# Altium PCB PCB4191.PcbDoc (part 3 of 4)
Units mm, origin at the board's own origin, x right, y up, seen from the top; angles counter-clockwise.
Board outline 160 x 160 mm, 6 copper layers (Top Layer, IM1 RIS, IM2 Signal, IM3 Signal, IM4 GND, Bottom Layer), stack 1.582 mm thick; 143 components, 121 nets, 430 pads, 4983 vias.
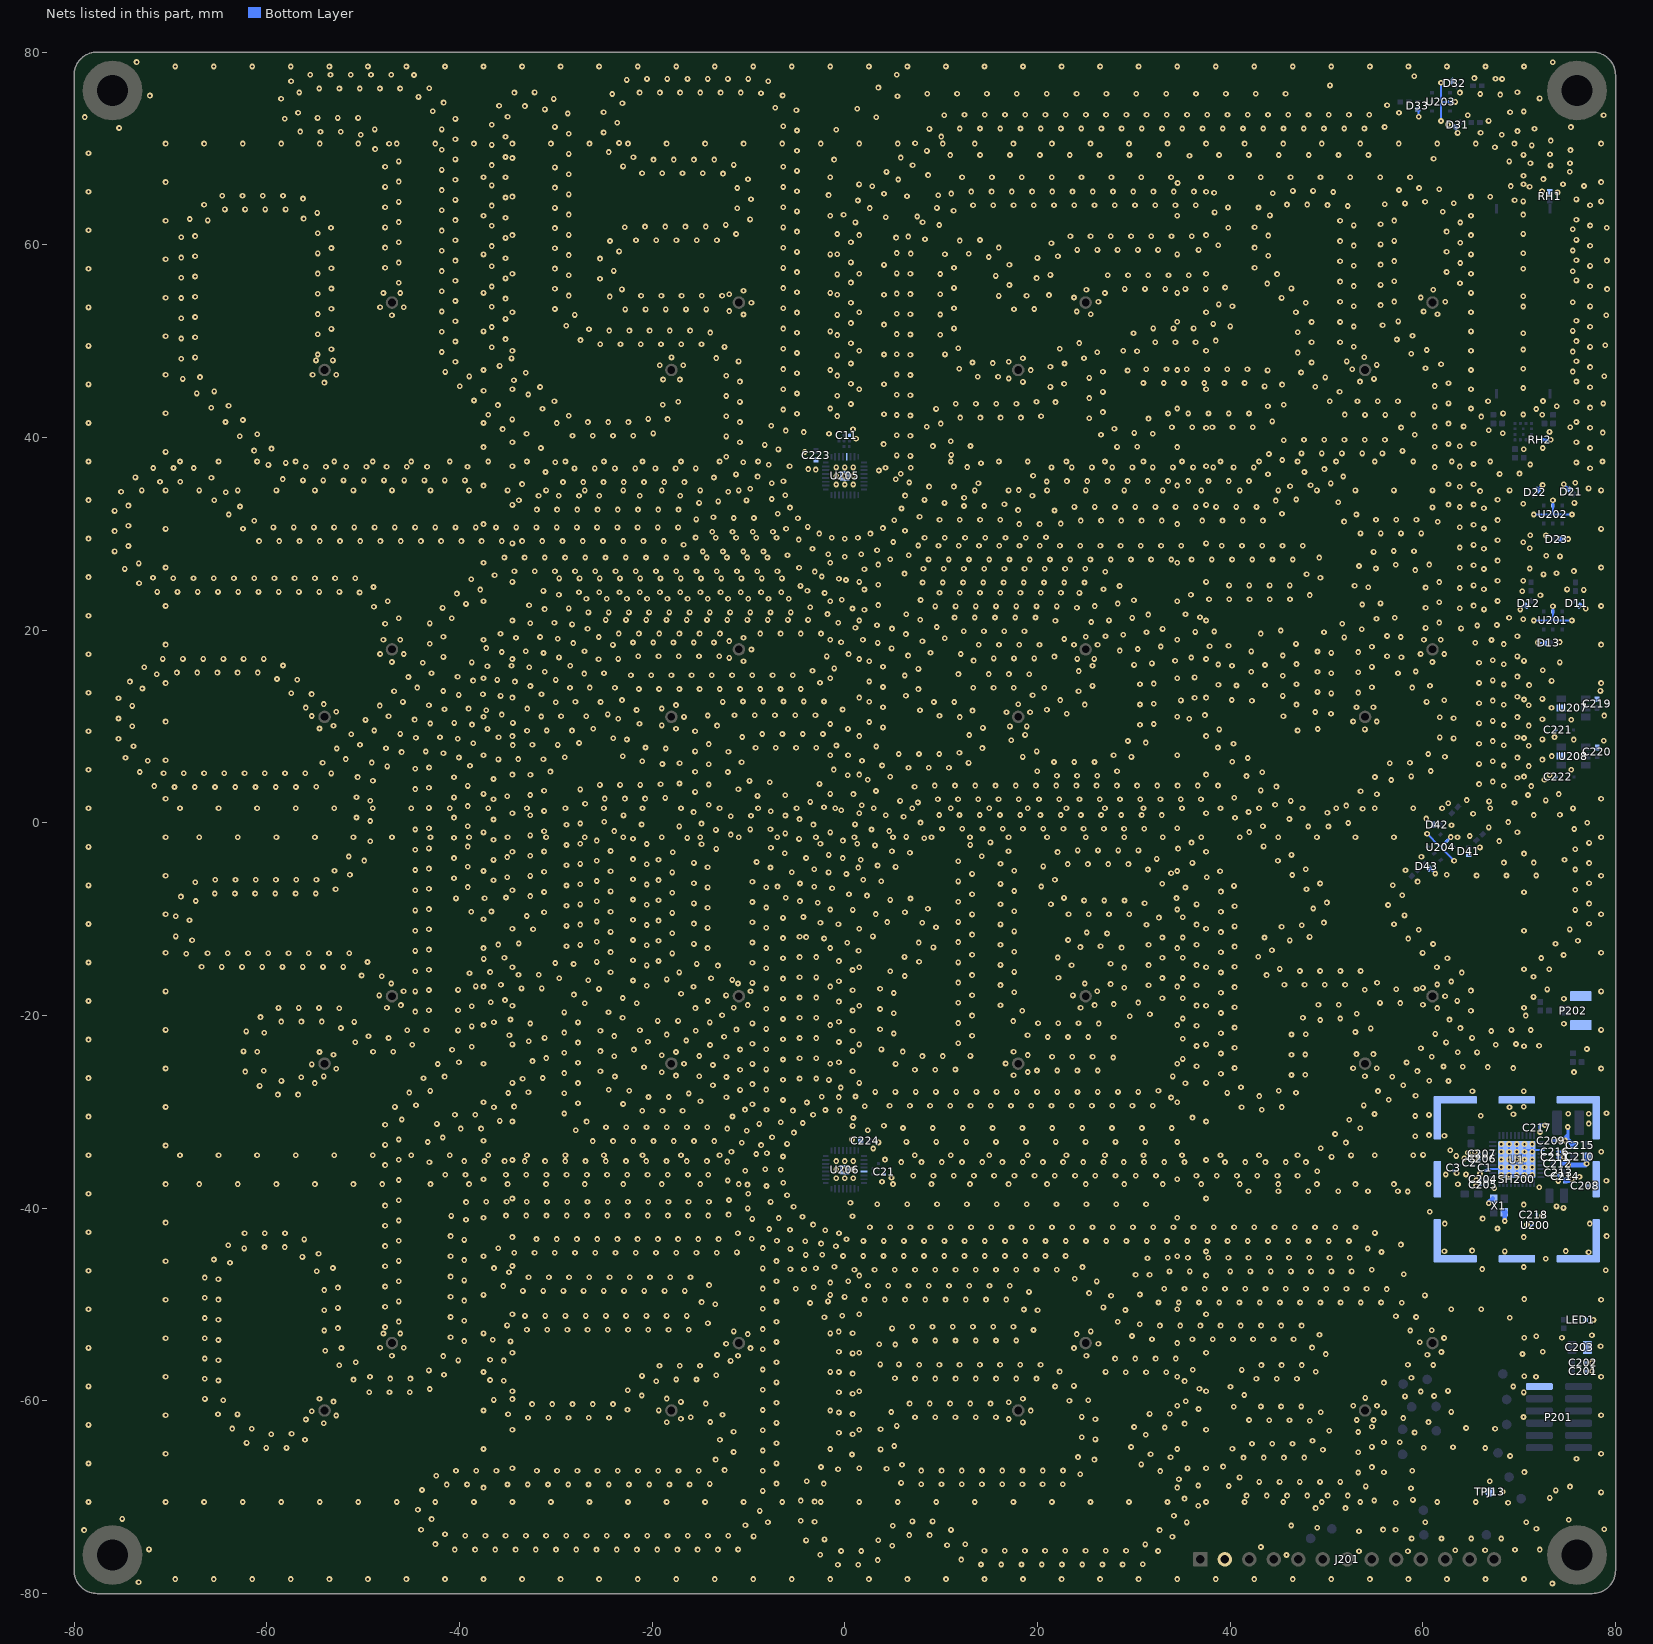
[diagram p7: the nets of this part, all layers, seen from the top]

## Via types
v1: diameter 0.6, hole 0.25, IM4 GND to Bottom Layer, tented bottom, 3953 vias
v2: diameter 0.6, hole 0.25, Top Layer to Bottom Layer, tented both sides, 851 vias
v3: diameter 0.6, hole 0.25, IM4 GND to Bottom Layer, tented both sides, 179 vias

## Nets (pads, with @x,y where several pads share a name; then routed paths per layer and width w, separated by ;. In a path a pad name is that pad's centre, name@x,y a point inside that pad or via, vN(x,y) a via of type N, cw(c..) or ccw(c..) an arc to the next point about the centre after c; other vN are vias at no path point) (continued)
GND: (continued)
  other v1: -0.714,-77.012 1.386,-77.012 14.137,-76.987 16.237,-76.987 18.337,-76.987 20.437,-76.987 22.537,-76.987 24.637,-76.987 26.737,-76.987 28.837,-76.987 30.937,-76.965 3.43,-76.528 12.099,-76.481 45.849,-76 -2.537,-75.97 58.449,-75.616 -0.388,-75.588 1.712,-75.588 32.521,-75.587 53.368,-75.606 14.494,-75.563 16.594,-75.563 18.694,-75.563 20.794,-75.563 22.894,-75.563 24.994,-75.563 27.094,-75.563 29.194,-75.563 63.363,-75.515 66.463,-75.515 -40.474,-75.437 -38.374,-75.437 -36.274,-75.437 -34.174,-75.437 -32.074,-75.437 -29.974,-75.437 -27.874,-75.437 -25.774,-75.437 -23.674,-75.437 -21.574,-75.437 -19.474,-75.437 -17.374,-75.437 -15.274,-75.437 -13.174,-75.437 69.562,-75.45 -11.074,-75.427 43.186,-75.174 4.915,-75.043 10.614,-74.996 31.188,-74.905 12.509,-74.877 -42.494,-74.863 -4.022,-74.486 3.483,-74.459 -2.109,-74.384 58.833,-74.286 61.933,-74.286 65.033,-74.286 68.133,-74.286 34.006,-74.102 -9.468,-74.075 -39.404,-74.013 -37.304,-74.013 -35.204,-74.013 -33.104,-74.013 -31.004,-74.013 -28.904,-74.013 -26.804,-74.013 -24.704,-74.013 -22.604,-74.013 -20.504,-74.013 -18.404,-74.013 -16.304,-74.013 -14.204,-74.013 -12.104,-74.013 6.7,-73.937 8.8,-73.937 -41.497,-73.845 53.375,-73.529 32.673,-73.42 -43.979,-73.378 11.024,-73.392 55.873,-73.366 71.783,-73.287 49.049,-73.166 4.968,-72.974 46.351,-72.941 -10.317,-72.91 35.491,-72.617 -7.983,-72.59 70.733,-72.597 -3.138,-72.553 7.017,-72.513 9.117,-72.513 -4.562,-72.456 -42.888,-72.272 34.158,-71.935 -8.832,-71.425 -44.312,-71.305 48.87,-71.135 51.97,-71.135 36.687,-70.891 -3.138,-70.453 -4.562,-70.356 54.966,-70.339 35.263,-70.149 41.709,-69.837 43.809,-69.837 45.909,-69.837 48.009,-69.837 50.109,-69.837 52.209,-69.837 -8.512,-69.349 -43.882,-69.249 58.768,-69.061 54.078,-68.88 39.86,-68.842 36.687,-68.791 -41.306,-68.689 -39.206,-68.687 -35.006,-68.687 -32.906,-68.687 -30.806,-68.687 -28.706,-68.687 -26.606,-68.687 -24.506,-68.687 -22.406,-68.687 -20.306,-68.687 -18.206,-68.687 -16.106,-68.687 7.934,-68.662 10.034,-68.662 12.134,-68.662 14.234,-68.662 16.334,-68.662 18.434,-68.662 20.534,-68.662 22.634,-68.662 -14.007,-68.623 -7.088,-68.59 -2.178,-68.585 5.839,-68.516 43.029,-68.413 45.129,-68.413 47.229,-68.413 49.329,-68.413 51.429,-68.413 -3.954,-68.346 34.675,-68.133 40.981,-67.949 -42.397,-67.765 24.45,-67.608 53.288,-67.435 55.96,-67.403 32.753,-67.287 -40.358,-67.263 -38.258,-67.263 -36.158,-67.263 -31.958,-67.263 -29.858,-67.263 -27.758,-67.263 -25.658,-67.263 -23.558,-67.263 -21.458,-67.263 -19.358,-67.263 -17.258,-67.263 -15.158,-67.263 -8.512,-67.249 7.946,-67.238 10.046,-67.238 12.146,-67.238 14.246,-67.238 16.346,-67.238 18.446,-67.238 20.546,-67.238 22.646,-67.238 -12.477,-67.185 -0.693,-67.101 4.339,-67.046 35.57,-67.013 54.712,-66.878 -2.469,-66.862 39.263,-66.829 5.936,-66.629 30.769,-66.601 -7.088,-66.49 -13.408,-66.101 25.908,-66.097 41.382,-65.887 43.482,-65.887 45.582,-65.887 47.682,-65.887 33.813,-65.863 24.208,-65.834 0.746,-65.571 31.736,-65.554 53.288,-65.335 -11.538,-65.306 -8.512,-65.149 49.622,-65.085 3.713,-65.042 40.229,-64.964 -60.053,-64.887 -57.953,-64.887 29.713,-64.786 54.712,-64.778 5.137,-64.687 42.268,-64.463 44.368,-64.463 46.468,-64.463 -7.088,-64.39 -62.088,-64.369 55.96,-64.303 48.544,-64.148 -56.032,-64.039 -12.962,-64.049 26.012,-63.999 24.588,-63.769 31.246,-63.512 0.812,-63.472 -59.524,-63.463 -57.424,-63.417 -0.612,-63.31 53.288,-63.235 -11.538,-63.206 50.287,-63.093 -8.512,-63.049 3.713,-62.942 -61.546,-62.897 -63.573,-62.884 33.207,-62.762 30.033,-62.71 54.712,-62.678 5.382,-62.601 35.269,-62.363 -54.082,-62.32 -7.088,-62.29 18.484,-62.237 -18.484,-62.213 -13.958,-62.2 48.26,-62.068 44.061,-62.012 46.161,-62.012 41.961,-61.99 53.137,-61.991 54.887,-61.991 -55.939,-61.932 26.012,-61.899 17.009,-61.887 -17.009,-61.863 -32.879,-61.762 -30.779,-61.762 -28.679,-61.762 -26.579,-61.762 -24.479,-61.762 -16,-61.712 7.284,-61.712 9.384,-61.712 11.484,-61.712 13.584,-61.712 15.684,-61.712 24.588,-61.669 -52.792,-61.524 -12.691,-61.452 -65.058,-61.399 -63.031,-61.412 -34.945,-61.387 0.812,-61.372 31.633,-61.351 33.733,-61.338 -0.612,-61.21 49.398,-61.191 55.96,-61.203 4.814,-61.154 -55.32,-61.082 19.309,-61.012 -19.309,-60.988 -22.55,-60.932 -8.512,-60.949 36.724,-60.849 40.378,-60.61 43.186,-60.588 45.286,-60.588 47.386,-60.588 52.787,-60.516 55.237,-60.516 -32.462,-60.338 -30.362,-60.338 -28.262,-60.338 -26.162,-60.338 -24.062,-60.338 -14.439,-60.288 6.727,-60.288 8.827,-60.288 10.927,-60.288 13.027,-60.288 15.127,-60.288 -7.088,-60.19 17.009,-60.137 -17.009,-60.113 -53.075,-60.075 35.388,-60.044 23.316,-59.998 -64.516,-59.927 25.268,-59.936 -36.43,-59.902 -34.497,-59.821 -66.422,-59.803 -54.524,-59.792 -18.484,-59.763 18.484,-59.787 54.012,-59.691 -21.065,-59.448 41.462,-59.389 0.812,-59.272 -49.357,-59.112 -47.257,-59.112 -45.157,-59.112 -0.612,-59.11 62.615,-58.966 -22.532,-58.899 -8.512,-58.849 -43.085,-58.768 36.812,-58.751 40.038,-58.538 21.831,-58.513 23.783,-58.451 -7.088,-58.09 55.96,-58.103 -19.58,-57.963 35.265,-57.948 -35.388,-57.919 -65.013,-57.886 -36.812,-57.837 -50.99,-57.792 -17.488,-57.787 -15.388,-57.787 42.727,-57.712 44.827,-57.712 46.927,-57.712 -66.437,-57.703 -47.19,-57.688 -45.09,-57.688 7.3,-57.687 9.4,-57.687 11.5,-57.687 13.6,-57.687 15.7,-57.687 17.8,-57.687 19.9,-57.687 5.2,-57.653 58.809,-57.613 -49.28,-57.487 -21.047,-57.414 -13.335,-57.343 -41.6,-57.283 0.812,-57.172 29.173,-57.037 31.273,-57.037 33.373,-57.037 -0.612,-57.01 27.074,-56.997 48.895,-56.978 22.298,-56.966 -43.17,-56.837 41.202,-56.79 36.105,-56.773 -8.512,-56.749 -19.229,-56.363 -17.129,-56.363 -15.029,-56.363 -52.475,-56.307 43.241,-56.288 45.341,-56.288 47.441,-56.288 7.719,-56.263 9.819,-56.263 11.919,-56.263 14.019,-56.263 16.119,-56.263 18.219,-56.263 20.319,-56.263 58.453,-56.26 61.069,-56.279 3.671,-56.213 5.62,-56.213 -50.765,-56.003 -7.088,-55.99 -11.85,-55.858 -35.388,-55.819 -65.013,-55.786 -40.115,-55.798 -36.812,-55.737 -66.437,-55.603 28.055,-55.613 30.155,-55.613 32.255,-55.613 34.355,-55.613 -41.685,-55.352 -11.082,-55.32 25.082,-55.32 -47.012,-55.309 -13.252,-55.244 60.476,-55.208 49.924,-55.147 0.812,-55.072 61.925,-54.925 -0.612,-54.91 -53.934,-54.797 -8.512,-54.649 -52.25,-54.518 -9.792,-54.524 23.792,-54.524 -48.237,-54.484 -45.787,-54.484 48.499,-54.474 5.234,-54.149 3.588,-54.115 -12.32,-54.082 26.32,-54.082 59.68,-53.918 -7.088,-53.89 -34.702,-53.834 -39.488,-53.794 7.293,-53.737 9.393,-53.737 11.493,-53.737 13.593,-53.737 15.693,-53.737 17.793,-53.737 -65.013,-53.686 -36.538,-53.655 31.884,-53.612 36.084,-53.612 38.184,-53.612 40.284,-53.612 42.384,-53.612 44.484,-53.612 46.584,-53.612 -66.437,-53.503 62.208,-53.476 74.438,-53.46 -40.912,-53.4 71.78,-53.303 29.812,-53.27 49.277,-53.149 -10.075,-53.075 24.075,-53.075 -47.887,-53.009 -46.137,-53.009 0.812,-52.972 -0.634,-52.81 -11.524,-52.792 25.524,-52.792 -54.037,-52.699 58.69,-52.697 60.918,-52.68 19.587,-52.645 -32.994,-52.612 -30.894,-52.612 -28.794,-52.612 -26.694,-52.612 -24.594,-52.612 -22.494,-52.612 -20.394,-52.612 -18.294,-52.612 -16.194,-52.612 -8.512,-52.549 4.907,-52.481 -52.613,-52.449 -47.712,-52.334 7,-52.313 9.1,-52.313 11.2,-52.313 13.3,-52.313 15.4,-52.313 17.5,-52.313 -35.053,-52.17 32.71,-52.188 34.81,-52.188 36.91,-52.188 39.01,-52.188 41.11,-52.188 43.21,-52.188 45.31,-52.188 47.41,-52.188 30.614,-52.057 -14.205,-51.938 -7.088,-51.79 -46.288,-51.777 28.327,-51.785 -39.488,-51.694 -65.013,-51.586 -66.437,-51.403 69.031,-51.378 -2.119,-51.325 -40.912,-51.3 59.303,-51.296 57.205,-51.212 -33.197,-51.188 -31.097,-51.188 -28.997,-51.188 -26.897,-51.188 -24.797,-51.188 -22.697,-51.188 -20.597,-51.188 -18.497,-51.188 -16.397,-51.188 -0.261,-51.168 -54.037,-50.599 20.012,-50.589 29.129,-50.572 18.588,-50.516 62.958,-50.498 66.058,-50.498 -8.512,-50.449 -52.613,-50.349 26.842,-50.3 -47.712,-50.234 -13.438,-49.983 -3.604,-49.84 57.818,-49.811 32.562,-49.787 34.662,-49.787 36.762,-49.787 38.862,-49.787 40.962,-49.787 43.062,-49.787 45.162,-49.787 47.262,-49.787 49.362,-49.787 51.462,-49.787 53.562,-49.787 55.662,-49.787 -14.862,-49.754 -7.088,-49.69 -1.746,-49.683 -46.288,-49.677 -39.488,-49.594 -65.013,-49.486 2.057,-49.487 4.157,-49.487 6.257,-49.487 8.357,-49.487 10.457,-49.487 12.557,-49.487 14.657,-49.487 16.757,-49.487 -66.437,-49.303 -40.912,-49.2 -0.024,-49.208 27.644,-49.087 60.212,-49.06 30.631,-48.963 25.357,-48.815 19.12,-48.688 -33.408,-48.587 -31.308,-48.587 -29.208,-48.587 -27.108,-48.587 -25.008,-48.587 -22.908,-48.587 -20.808,-48.587 -18.708,-48.587 -16.608,-48.587 -54.037,-48.499 56.263,-48.4 33.163,-48.363 35.263,-48.363 37.363,-48.363 39.463,-48.363 41.563,-48.363 43.663,-48.363 45.763,-48.363 47.863,-48.363 49.963,-48.363 52.063,-48.363 54.163,-48.363 -8.512,-48.349 -5.089,-48.355 -52.613,-48.249 -3.231,-48.198 -47.712,-48.134 -35.447,-48.085 2.415,-48.063 4.515,-48.063 6.615,-48.063 8.715,-48.063 10.815,-48.063 12.915,-48.063 15.015,-48.063 17.115,-48.063 -14.083,-47.984 -1.509,-47.723 26.159,-47.602 -46.288,-47.577 -7.088,-47.59 0.37,-47.588 -39.488,-47.494 -65.013,-47.386 23.873,-47.33 -66.437,-47.203 -32.816,-47.163 -30.716,-47.163 -28.616,-47.163 -26.516,-47.163 -24.416,-47.163 -22.316,-47.163 -20.216,-47.163 -18.116,-47.163 -16.016,-47.163 -40.912,-47.1 30.188,-46.91 31.636,-46.922 58.02,-46.868 -34.855,-46.662 33.705,-46.562 35.805,-46.562 40.005,-46.562 42.105,-46.562 44.205,-46.562 46.305,-46.562 48.405,-46.562 50.505,-46.562 52.605,-46.562 -54.811,-46.547 0.996,-46.387 3.096,-46.387 5.196,-46.387 7.296,-46.387 9.396,-46.387 11.496,-46.387 13.596,-46.387 15.696,-46.387 17.796,-46.387 19.896,-46.387 21.996,-46.387 54.698,-46.391 -5.649,-46.331 -4.224,-46.347 -8.512,-46.249 -2.994,-46.238 -53.129,-46.214 -36.412,-46.22 24.674,-46.117 -1.081,-46.076 -47.712,-46.034 -63.809,-45.666 -7.088,-45.49 -46.288,-45.477 -39.488,-45.394 -65.487,-45.33 72.752,-45.249 31.418,-45.208 33.517,-45.138 35.617,-45.138 37.717,-45.138 39.817,-45.138 41.917,-45.138 44.017,-45.138 46.117,-45.138 48.217,-45.138 50.317,-45.138 52.417,-45.138 -56.295,-45.062 -40.912,-45 -0.18,-44.963 1.92,-44.963 4.02,-44.963 6.12,-44.963 8.22,-44.963 10.32,-44.963 12.42,-44.963 14.52,-44.963 16.62,-44.963 18.72,-44.963 20.82,-44.963 22.92,-44.963 -4.05,-44.85 -2.35,-44.825 -54.614,-44.729 -34.3,-44.637 -32.2,-44.637 -30.1,-44.637 -28,-44.637 -25.9,-44.637 -23.8,-44.637 -21.7,-44.637 -19.6,-44.637 -17.5,-44.637 -15.4,-44.637 -13.3,-44.637 -11.2,-44.595 55.712,-44.553 -5.649,-44.231 -62.324,-44.181 -35.973,-44.166 54.288,-44.184 -8.512,-44.149 -60.229,-44.037 -58.129,-44.037 -0.925,-43.95 -47.712,-43.934 -64.002,-43.845 57.727,-43.782 1.935,-43.412 4.035,-43.412 6.135,-43.412 8.235,-43.412 10.335,-43.412 12.435,-43.412 14.535,-43.412 16.635,-43.412 18.735,-43.412 20.835,-43.412 22.935,-43.412 25.035,-43.412 27.135,-43.412 29.235,-43.412 31.335,-43.412 33.435,-43.412 35.535,-43.412 37.635,-43.412 39.735,-43.412 41.835,-43.412 43.935,-43.412 46.035,-43.412 48.135,-43.412 50.235,-43.412 52.335,-43.412 -7.046,-43.391 -46.288,-43.377 -39.488,-43.294 -56.099,-43.244 -32.002,-43.213 -29.902,-43.213 -27.802,-43.213 -25.702,-43.213 -23.602,-43.213 -21.502,-43.213 -19.402,-43.213 -17.302,-43.213 -15.202,-43.213 -13.102,-43.213 0.175,-43.225 -9.655,-43.173 -40.912,-42.9 -62.302,-42.613 -60.202,-42.613 -58.102,-42.613 -11.094,-42.598 55.025,-42.568 -7.832,-42.162 67.747,-42.114 2.607,-41.988 4.707,-41.988 6.807,-41.988 8.907,-41.988 11.007,-41.988 13.107,-41.988 15.207,-41.988 17.307,-41.988 19.407,-41.988 21.507,-41.988 23.607,-41.988 25.707,-41.988 27.807,-41.988 29.907,-41.988 32.007,-41.988 34.107,-41.988 36.207,-41.988 38.307,-41.988 40.407,-41.988 42.507,-41.988 44.607,-41.988 46.707,-41.988 48.807,-41.988 50.907,-41.988 53.007,-41.988 -47.712,-41.834 -46.288,-41.277 -39.318,-41.201 -9.609,-41.113 -40.845,-40.801 -35.163,-40.768 -33.063,-40.768 -30.963,-40.768 -28.863,-40.768 -26.763,-40.768 -24.663,-40.768 -22.563,-40.768 -20.463,-40.768 -18.363,-40.768 -16.263,-40.768 -14.163,-40.768 -12.066,-40.669 60.716,-40.361 -10.068,-40.021 -47.712,-39.734 3.378,-39.594 6.478,-39.594 9.578,-39.594 12.678,-39.594 15.778,-39.594 18.878,-39.594 21.978,-39.594 25.078,-39.594 28.178,-39.594 31.278,-39.594 -39.309,-39.369 -37.209,-39.344 -35.109,-39.344 -33.009,-39.344 -30.909,-39.344 -28.809,-39.344 -26.709,-39.344 -24.609,-39.344 -22.509,-39.344 -20.409,-39.344 -18.309,-39.344 -16.209,-39.344 -14.109,-39.344 -46.288,-39.177 -12.017,-39.156 -10.02,-38.507 58.43,-38.267 41.911,-38.246 45.011,-38.246 48.111,-38.246 51.211,-38.246 54.311,-38.246 57.411,-38.246 -10.1,-37.549 -12.157,-37.126 -46.288,-37.077 7.101,-36.644 9.201,-36.644 11.301,-36.644 13.401,-36.644 15.501,-36.644 17.601,-36.644 19.701,-36.644 21.801,-36.644 23.901,-36.644 26.001,-36.644 28.101,-36.644 30.201,-36.644 32.301,-36.644 36.501,-36.644 38.601,-36.644 40.701,-36.644 42.801,-36.644 44.901,-36.644 47.001,-36.644 -41.473,-36.537 -39.373,-36.537 -35.173,-36.537 -33.073,-36.537 -30.973,-36.537 -28.873,-36.537 -26.773,-36.537 -24.673,-36.537 -22.573,-36.537 -20.473,-36.537 -18.373,-36.537 -16.273,-36.537 -14.173,-36.537 49.045,-36.162 -10.342,-36.124 -47.712,-35.534 -43.113,-35.227 5.862,-35.219 7.962,-35.219 10.062,-35.219 12.162,-35.219 14.262,-35.219 16.362,-35.219 18.462,-35.219 20.562,-35.219 22.662,-35.219 24.762,-35.219 26.862,-35.219 28.962,-35.219 31.062,-35.219 33.162,-35.219 35.262,-35.219 39.462,-35.219 41.562,-35.219 43.662,-35.219 45.762,-35.219 47.862,-35.219 -12.21,-35.166 -39.51,-35.113 -37.41,-35.113 -35.31,-35.113 -33.21,-35.113 -31.11,-35.113 -29.01,-35.113 -26.91,-35.113 -24.81,-35.113 -22.71,-35.113 -20.61,-35.113 -18.51,-35.113 -16.41,-35.113 -14.31,-35.113 -46.288,-34.977 50.53,-34.677 60.022,-34.476 -11.767,-34.141 49.401,-33.791 -8.685,-33.458 -47.712,-33.434 -10.686,-33.207 3.5,-33.175 52.015,-33.193 -43.287,-33.134 6.396,-33.123 9.496,-33.123 12.596,-33.123 15.696,-33.123 18.796,-33.123 21.896,-33.123 24.996,-33.123 28.096,-33.123 31.196,-33.123 -26.154,-33.037 -24.054,-33.037 -21.954,-33.037 -19.854,-33.037 -17.754,-33.037 -15.654,-33.037 -13.554,-33.037 -46.288,-32.877 -41.736,-32.668 59.215,-32.538 60.639,-32.415 50.886,-32.306 -10.17,-31.973 -27.924,-31.908 2.391,-31.917 -39.853,-31.737 -37.753,-31.737 -12.19,-31.742 53.5,-31.708 6.038,-31.677 9.138,-31.677 12.238,-31.677 15.338,-31.677 18.438,-31.677 21.538,-31.677 24.638,-31.677 27.738,-31.677 30.838,-31.677 33.938,-31.677 -24.786,-31.613 -22.686,-31.613 -20.586,-31.613 -18.486,-31.613 -16.386,-31.613 -14.286,-31.613 4.06,-31.447 -47.712,-31.334 -42.341,-31.259 -8.875,-31.254 -26.8,-31.018 -35.81,-30.942 52.371,-30.821 -45.991,-30.798 0.89,-30.643 36.09,-30.595 -11.655,-30.488 59.215,-30.438 66.011,-30.408 -40.467,-30.313 -38.367,-30.313 60.639,-30.315 54.985,-30.223 -29.112,-30.177 -21.033,-29.887 -18.933,-29.887 -16.833,-29.887 -8.126,-29.795 -10.36,-29.769 43.269,-29.787 -36.416,-29.534 41.187,-29.519 -46.701,-29.494 45.351,-29.507 -34.325,-29.457 4.654,-29.362 6.754,-29.362 8.854,-29.362 10.954,-29.362 13.054,-29.362 15.154,-29.362 17.254,-29.362 19.354,-29.362 21.454,-29.362 23.554,-29.362 25.654,-29.362 27.754,-29.362 29.854,-29.362 31.954,-29.362 53.856,-29.337 -44.506,-29.313 -9.587,-29.223 -23.015,-29.192 -27.688,-29.114 -14.984,-28.892 -6.413,-28.769 56.47,-28.738 33.873,-28.509 -12.287,-28.486 -20.373,-28.463 -18.273,-28.463 1.111,-28.407 43.014,-28.363 59.251,-28.338 -58.844,-28.212 -56.744,-28.212 -16.205,-28.097 -29.112,-28.077 -34.931,-28.049 39.702,-28.034 46.836,-28.022 -45.216,-28.009 -32.84,-27.972 3.158,-27.938 5.258,-27.938 7.358,-27.938 9.458,-27.938 11.558,-27.938 13.658,-27.938 15.758,-27.938 17.858,-27.938 19.958,-27.938 22.058,-27.938 24.158,-27.938 26.258,-27.938 28.358,-27.938 30.458,-27.938 65.141,-27.87 55.341,-27.852 -43.021,-27.828 -22.372,-27.821 32.554,-27.813 45.039,-27.804 -24.5,-27.707 -10.863,-27.73 -8.163,-27.695 -0.424,-27.479 41.126,-27.444 -60.743,-27.314 57.955,-27.253 -13.688,-27.24 -9.587,-27.123 -55.014,-27.022 35.358,-27.024 -27.688,-27.014 62.658,-26.799 -58.481,-26.788 60.661,-26.782 -6.413,-26.669 -1.645,-26.686 -33.447,-26.564 -2.962,-26.544 -43.731,-26.524 -4.687,-26.537 -31.355,-26.487 -56.416,-26.408 -12.287,-26.386 56.826,-26.367 -41.536,-26.343 -23.857,-26.336 -54.082,-26.32 34.039,-26.329 -15.112,-26.304 53.988,-26.309 -17.516,-26.237 17.516,-26.213 46.363,-26.174 47.787,-26.15 39.038,-26.042 -29.112,-25.977 -18.991,-25.887 75.686,-25.879 18.991,-25.863 -62.223,-25.825 -25.362,-25.793 0.812,-25.782 59.439,-25.768 -60.302,-25.741 19.947,-25.712 22.047,-25.712 24.147,-25.712 26.247,-25.712 -10.863,-25.63 7.28,-25.637 9.38,-25.637 11.48,-25.607 -8.163,-25.595 -52.792,-25.524 52.763,-25.484 55.213,-25.484 40.462,-25.451 69.39,-25.458 -20.843,-25.364 66.726,-25.36 62.146,-25.297 64.143,-25.315 36.512,-25.27 -13.688,-25.14 -55.32,-25.082 -42.246,-25.039 -9.587,-25.023 5.27,-25.028 -16.691,-25.012 16.691,-24.988 -27.688,-24.914 58.311,-24.882 -40.051,-24.858 -0.612,-24.857 -32.412,-24.737 -6.413,-24.569 35.088,-24.509 -4.687,-24.437 -2.962,-24.444 -30.988,-24.42 27.856,-24.363 -12.287,-24.286 21.517,-24.288 23.617,-24.288 25.717,-24.288 60.924,-24.283 -23.938,-24.237 -15.112,-24.204 8.059,-24.213 10.159,-24.213 13.039,-24.2 -18.991,-24.137 18.991,-24.113 -53.075,-24.075 46.363,-24.074 47.787,-24.05 53.113,-24.009 54.863,-24.009 39.038,-23.942 -29.112,-23.877 65.628,-23.83 63.631,-23.812 -54.524,-23.792 -17.516,-23.787 -60.988,-23.756 -48.962,-23.762 -46.862,-23.762 6.01,-23.752 17.516,-23.763 -62.412,-23.733 -25.362,-23.693 0.812,-23.682 -40.761,-23.554 -21.887,-23.542 -10.863,-23.53 3.803,-23.526 -8.163,-23.495 59.796,-23.397 40.462,-23.351 -38.715,-23.238 36.512,-23.17 -13.982,-23.061 67.573,-23.037 -44.895,-23.027 69.671,-22.958 -9.587,-22.923 11.788,-22.887 -27.688,-22.814 -50.821,-22.786 62.409,-22.798 -0.612,-22.757 -20.44,-22.722 -32.808,-22.674 -16.462,-22.595 -6.413,-22.469 35.088,-22.409 -47.35,-22.338 -31.159,-22.327 -4.687,-22.337 -2.962,-22.344 65.116,-22.327 27.905,-22.264 21.064,-22.237 23.164,-22.237 25.264,-22.237 -12.532,-22.2 -49.442,-22.151 -23.938,-22.137 13.212,-22.107 -34.815,-22.054 18.971,-22.062 -18.472,-21.987 46.363,-21.974 47.856,-21.951 61.281,-21.912 5.087,-21.866 39.038,-21.842 -60.256,-21.788 -29.112,-21.777 53.003,-21.71 -62.134,-21.652 67.091,-21.613 -25.362,-21.593 -15.467,-21.576 0.812,-21.582 -43.41,-21.542 -40.137,-21.549 -21.268,-21.535 -45.412,-21.529 69.188,-21.498 71.191,-21.509 -11.252,-21.466 3.663,-21.431 -8.163,-21.395 54.599,-21.339 63.894,-21.313 -52.306,-21.301 40.462,-21.251 -38.713,-21.138 36.512,-21.07 -32.638,-20.835 -9.587,-20.823 26.361,-20.84 20.061,-20.813 22.161,-20.813 24.261,-20.813 11.788,-20.787 -36.425,-20.707 -27.688,-20.714 -14.017,-20.715 -50.927,-20.666 -0.612,-20.657 -58.499,-20.637 -56.399,-20.637 -54.299,-20.637 17.478,-20.585 -19.407,-20.563 -17.307,-20.563 49.341,-20.466 -34.697,-20.421 62.766,-20.427 -6.413,-20.369 35.088,-20.309 51.436,-20.312 -2.962,-20.244 47.551,-20.242 -23.068,-20.226 -4.687,-20.237 -60.649,-20.167 29.58,-20.087 70.672,-20.013 13.212,-20.007 -12.737,-19.981 31.668,-19.864 53.138,-19.831 5.087,-19.766 39.038,-19.742 -29.112,-19.677 -24.524,-19.667 -44.587,-19.598 18.415,-19.508 64.987,-19.52 0.812,-19.482 -43.163,-19.457 -40.137,-19.449 3.663,-19.331 -8.163,-19.295 -52.479,-19.252 -15.502,-19.23 61.484,-19.237 -58.779,-19.213 -56.679,-19.213 -54.579,-19.213 -47.524,-19.208 -11.524,-19.208 24.476,-19.208 40.462,-19.151 -38.713,-19.038 36.512,-18.97 16.163,-18.948 -46.075,-18.925 -10.075,-18.925 25.925,-18.925 49.162,-18.895 51.262,-18.888 60.009,-18.887 27.909,-18.816 -21.583,-18.741 -26.998,-18.731 55.555,-18.693 57.655,-18.712 11.788,-18.687 30.45,-18.663 -36.737,-18.63 -0.612,-18.557 -14.221,-18.496 63.563,-18.484 -35.268,-18.4 -6.413,-18.269 32.962,-18.21 35.088,-18.209 -23.04,-18.182 -4.687,-18.137 -2.962,-18.144 71.483,-18.075 62.309,-18.012 -48.32,-17.918 -12.32,-17.918 13.212,-17.907 23.68,-17.918 -28.112,-17.83 -16.987,-17.745 5.087,-17.666 39.038,-17.642 17.587,-17.578 -44.587,-17.498 